# Altium PCB TeknoFest.PcbDoc
Units mm, origin at the board's own origin, x right, y up, seen from the top; angles counter-clockwise.
Board outline 80 x 88 mm, 2 copper layers (Top Layer, Bottom Layer), stack 1.57 mm thick; 69 components, 52 nets, 270 pads, 0 vias.
Unrouted connection lines stored in the file: 181.
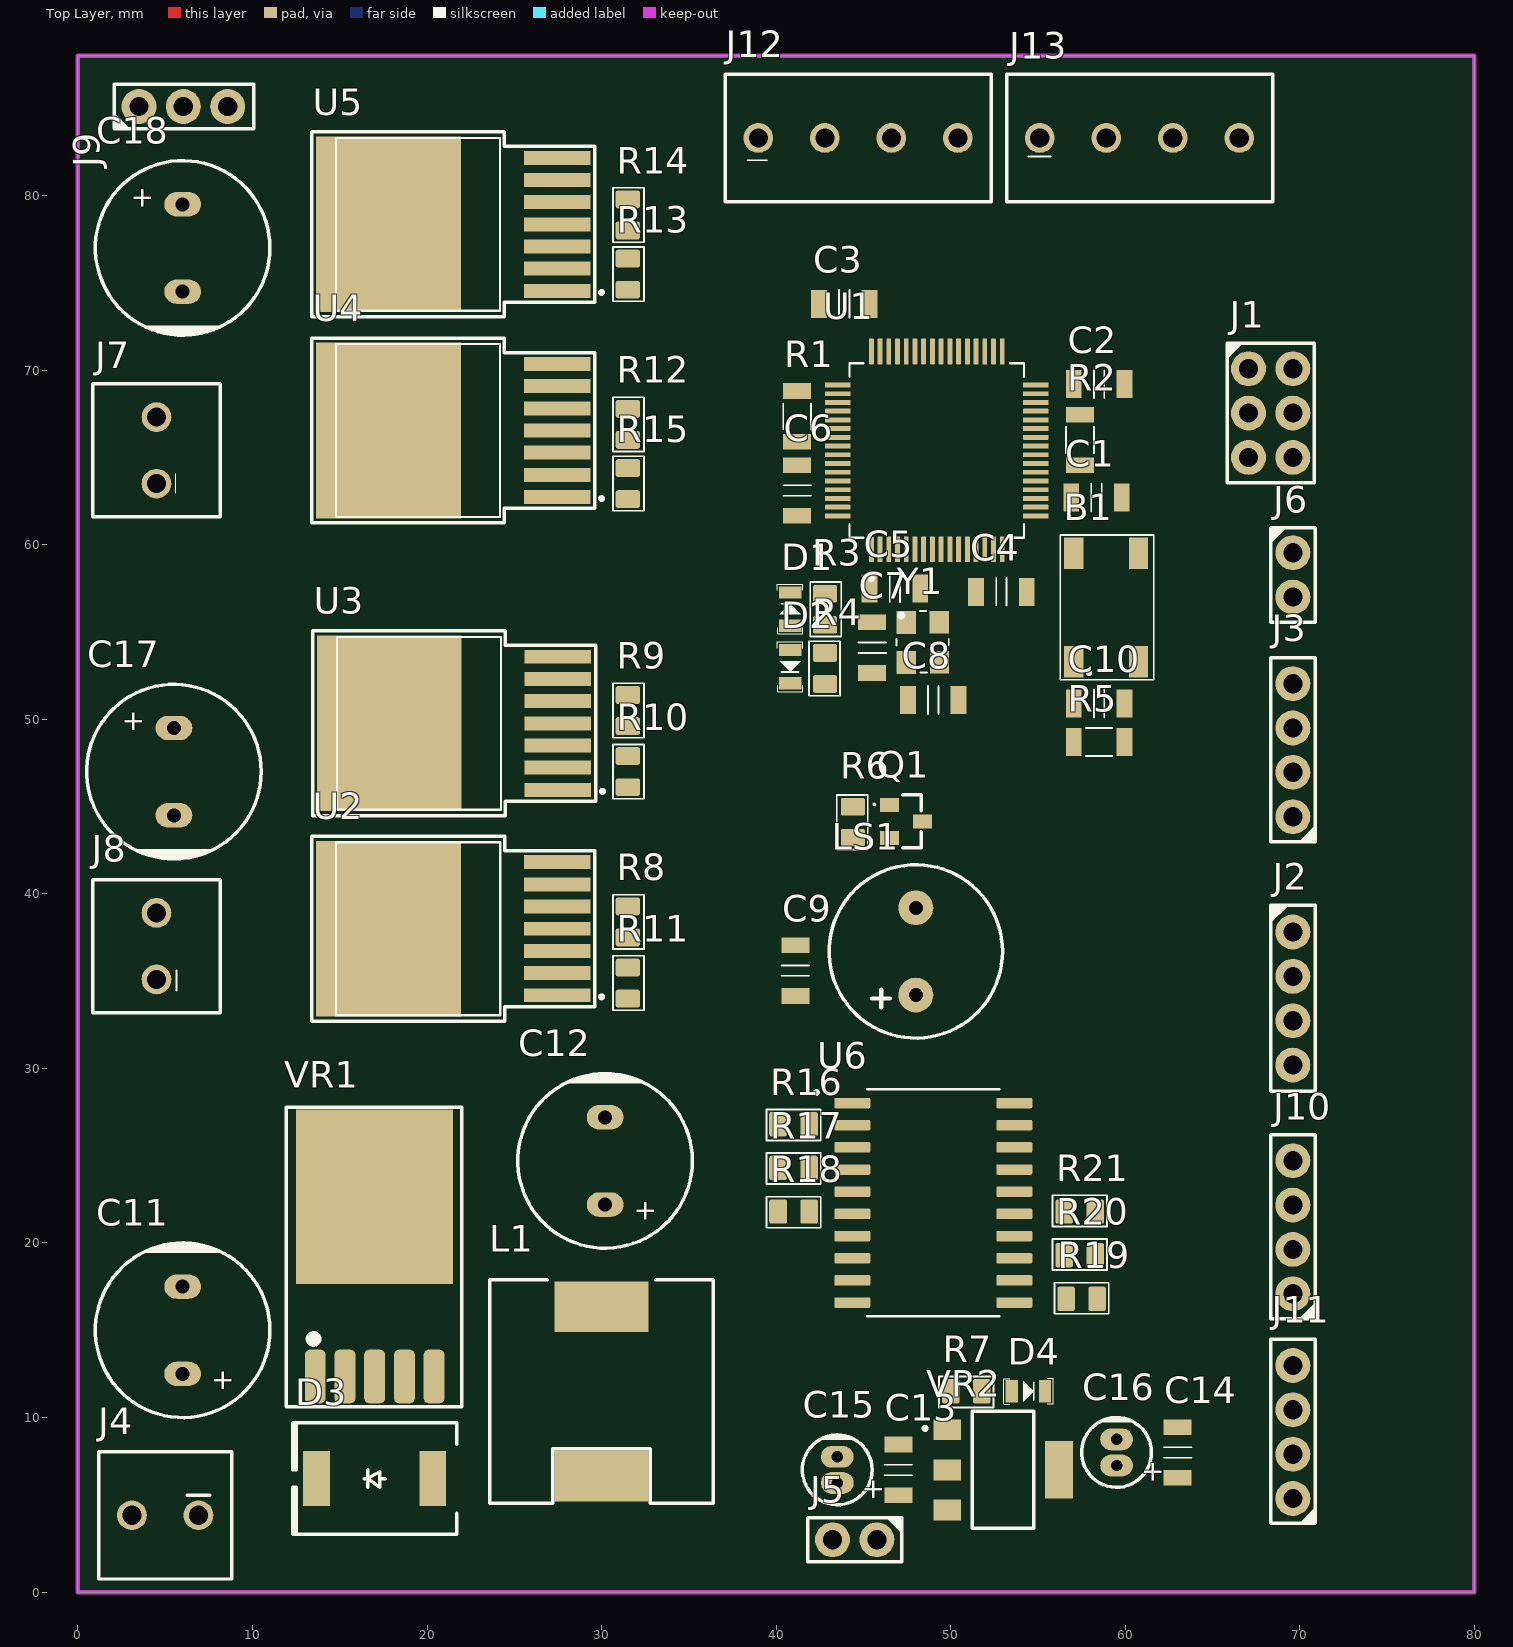
[diagram p0: Top Layer view]
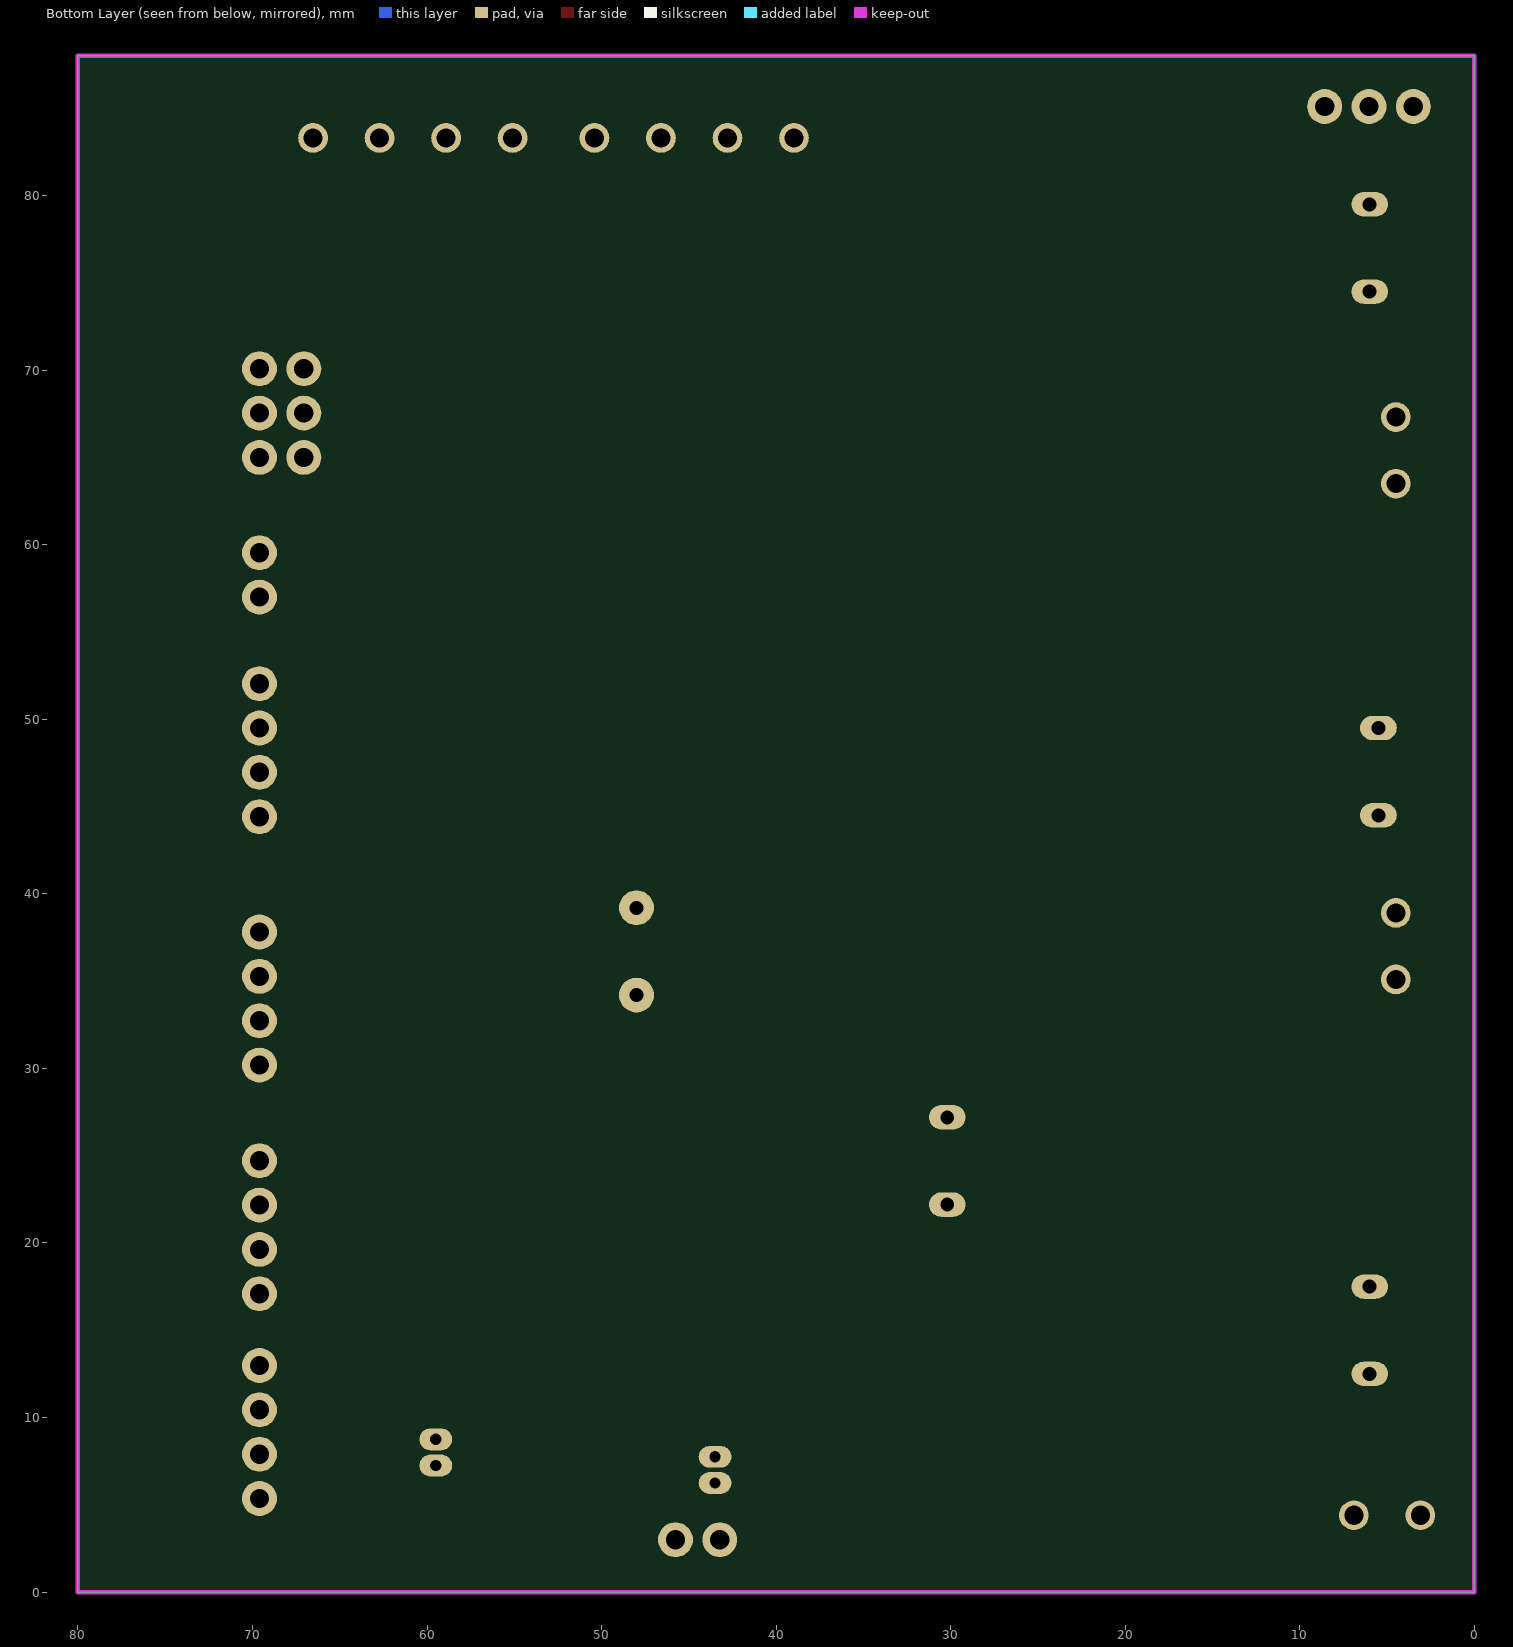
[diagram p1: Bottom Layer view, seen from below]

## Layer stack, top to bottom
Top Solder: solder mask 0.01, SM-001, Dk 3.5
Top Layer: signal copper 0.035
Dielectric 1: core 1.5, Core-043, Dk 4.8
Bottom Layer: signal copper 0.035
Bottom Solder: solder mask 0.01, SM-001, Dk 3.5

## Board outline
0,0 0,88 80,88 80,0

## Design rules (kind name [scope] priority, off if disabled: settings)
Clearance [All] p1: gap=0.254 ignorepadtopadclearanceinfootprint=FALSE except(0: Arc-Hole Track-Hole SMDPad-Hole THPad-Hole Via-Hole Fill-Hole Poly-Hole Region-Hole Text-Hole)
PolygonConnect [All] p1: connectstyle=Relief reliefconductorwidth=0.254 reliefentries=4 polygonreliefangle="90 Angle" airgapwidth=0.254
RoutingVias [All] p1: holewidth=0.711 width=1.27 viastyle="Through Hole" minholewidth=0.711 minwidth=1.27 maxholewidth=0.711 maxwidth=1.27
SolderMaskExpansion [All] p1: expansion=0.102 istentingtop=FALSE
Width [All] p1: maxlimit=0.254 minlimit=0.254 preferedwidth=0.254
30 further rules are at their usual default settings.

## Classes and differential pairs
component class PowerManagement: C11 C12 C13 C14 C15 C16 D3 D4 J3 J4 J5 J6 J7 J8 J9 J10 J11 J12 J13 L1 R7 VR1 VR2
component class MotorDriversUnit: C17 C18 R8 R9 R10 R11 R12 R13 R14 R15 R16 R17 R18 R19 R20 R21 U2 U3 U4 U5 U6
component class MicroController: B1 C1 C2 C3 C4 C5 C6 C7 C8 C9 C10 D1 D2 J1 J2 LS1 Q1 R1 R2 R3 R4 R5 R6 U1 Y1

## Components (designator, comment, footprint, x,y, rotation, side; value= is the part's Value field where it differs from the comment)
B1 "Push Button" "PUSH BUTTON-SMD" 58.9,56.4 r90 top
C1 "CAP CER 4.7 uF 1206" CAP_1206_4.7uF 58.35,62.7 r180 top value=4.7µF
C2 "CAP_1206_0.1uF" CAP_1206_0.1uF 58.5,69.2 r180 top value=0.1µF
C3 "CAP_1206_0.1uF" CAP_1206_0.1uF 43.9,73.8 r0 top value=0.1µF
C4 "CAP_1206_0.1uF" CAP_1206_0.1uF 52.9,57.3 r180 top value=0.1µF
C5 "CAP_1206_0.1uF" CAP_1206_0.1uF 46.8,57.5 r180 top value=0.1µF
C6 "CAP_1206_0.1uF" CAP_1206_0.1uF 41.2,63.1 r270 top value=0.1µF
C7 "CAP_1206_16pF" CAP_1206_16pF 45.5,54.1 r270 top value=16pF
C8 "CAP_1206_16pF" CAP_1206_16pF 49,51.1 r180 top value=16pF
C9 "CAP_1206_0.1uF" CAP_1206_0.1uF 41.1,35.6 r270 top value=0.1µF
C10 "CAP_1206_0.1uF" CAP_1206_0.1uF 58.5,50.9 r180 top value="0.1 µF"
C11 "RD1J227M10016PA100" "CAP_ALUM_220uF_10x16 5MM" 6,15 r270 top value=220uF
C12 "RD1J227M10016PA100" "CAP_ALUM_220uF_10x16 5MM" 30.2,24.7 r270 top value=220uF
C13 "CAP_1206_0.1uF" CAP_1206_0.1uF 47,7 r270 top value=0.1µF
C14 "CAP_1206_0.1uF" CAP_1206_0.1uF 63,8 r270 top value=0.1µF
C15 "PKRJ-025V100MB070" CAP_ALUM_10uF_TH 43.5,7 r270 top value=10uF
C16 "PKRJ-025V100MB070" CAP_ALUM_10uF_TH 59.5,8 r270 top value=10uF
C17 "CD11GCL-50V330-10X17" "CAP_ALUM_330uF_10x17 5MM" 5.5,47 r90 top value=330µF
C18 "CD11GCL-50V330-10X17" "CAP_ALUM_330uF_10x17 5MM" 6,77 r90 top value=330µF
D1 "LED RED 0805" LED_RED_0805 40.8,56.311 r270 top
D2 "LED GREEN 0805" LED_GREEN_0805 40.8,53.011 r90 top
D3 "SK56-HT" "DIODE SCHOTTKY" 17,6.5 r0 top
D4 "LED RED 0805" LED_RED_0805 54.45,11.5 r180 top
J1 "L-KLS1-208Y-5.0-2-06-W-8" BOOT_HEADER_2.54MM_2X3PINS 68.33,67.54 r0 top
J2 "DS1023-1X4S21" "J-LINK OB" 69.6,34 r0 top
J3 "DS1023-1X4S21" "RX/TX HEADER" 69.6,48.23 r180 top
J4 "DG381S-3.81-02P-14-00AH" "24V_IN KONNEKTÖR" 5,4.4 r180 top
J5 "L-KLS1-208-1-02-S" "5V JUMPER" 44.5,3 r270 top
J6 "L-KLS1-208-1-02-S" "3V3 JUMPER" 69.6,58.27 r0 top
J7 "DG381S-3.81-02P-14-00AH" "LEFT MOTOR OUTPUT CONNECTOR" 4.5,65.405 r90 top
J8 "DG381S-3.81-02P-14-00AH" "RIGHT MOTOR OUTPUT CONNECTOR" 4.5,37 r90 top
J9 "DS1023-1X3S21" "ENCODER POWER SELECT.1" 6.04,85.1 r90 top
J10 "DS1023-1X4S21" "LEFT WHEEL PINS" 69.6,20.9 r180 top
J11 "DS1023-1X4S21" "RIGHT WHEEL PINS" 69.6,9.17 r180 top
J12 "15EDGA-3.81-04P-14-00AH" "RIGHT ENCODER" 44.695,83.3 r0 top
J13 "15EDGA-3.81-04P-14-00AH" "LEFT ENCODER" 60.815,83.3 r0 top
L1 "SRR1280-330M" "INDUCTOR POWER" 30,11.5 r90 top value=33µH
LS1 "CMI-9605IC-0580T" BUZZER 48,36.7 r180 top
Q1 "MMBT3904-7-F" SOT-23F 47.445,44.15 r270 top
R1 "RES_1206_10K" RES_1206_100K 41.2,67.35 r270 top value=100K
R2 "RES_1206_10K" RES_1206_100K 57.4,66 r270 top value=100K
R3 "RES_0805_510R" RES_0805_510R 42.8,56.3 r90 top value=510R
R4 "RES_0805_510R" RES_0805_510R 42.8,52.911 r270 top value=510R
R5 "RES_1206_10K" RES_1206_10k 58.5,48.7 r0 top value=10K
R6 "RES_0805_100R" RES_0805_100R 44.4,44.1 r270 top value=100R
R7 "RES_0805_1K" RES_0805_1K 50.889,11.5 r0 top value=1K
R8 "RES_0805_10K" RES_0805_10K 31.5,38.389 r90 top value=10K
R9 "RES_0805_10K" RES_0805_10K 31.5,50.5 r90 top value=10K
R10 "RES_0805_10K" RES_0805_10K 31.5,47 r90 top value=10K
R11 "RES_0805_10K" RES_0805_10K 31.5,34.889 r90 top value=10K
R12 "RES_0805_10K" RES_0805_10K 31.5,66.889 r90 top value=10K
R13 "RES_0805_10K" RES_0805_10K 31.5,75.5 r90 top value=10K
R14 "RES_0805_10K" RES_0805_10K 31.5,78.889 r90 top value=10K
R15 "RES_0805_10K" RES_0805_10K 31.5,63.5 r90 top value=10K
R16 "RES_0805_10K" RES_0805_10K 41,26.8 r0 top value=10K
R17 "RES_0805_10K" RES_0805_10K 41,24.3 r0 top value=10K
R18 "RES_0805_10K" RES_0805_10K 41,21.8 r0 top value=10K
R19 "RES_0805_10K" RES_0805_10K 57.5,16.8 r180 top value=10K
R20 "RES_0805_10K" RES_0805_10K 57.389,19.3 r180 top value=10K
R21 "RES_0805_10K" RES_0805_10K 57.389,21.8 r180 top value=10K
U1 "STM32F103RBT6" LQFP-64 49.2,65.4 r90 top
U2 "BTS7960B" DPAK127P1490X440-8N 21.5,38 r180 top
U3 "BTS7960B" DPAK127P1490X440-8N 21.55,49.77 r180 top
U4 "BTS7960B" DPAK127P1490X440-8N 21.496,66.542 r180 top
U5 "BTS7960B" DPAK127P1490X440-8N 21.496,78.353 r180 top
U6 "SN74AHC244DW" SOIC-20 49,22.3 r0 top
VR1 "LM2596S-5.0" "TO263-5 (D2PAK)" 17,17.5 r0 top
VR2 "AMS1117-3.3" SOT-223 53,7 r270 top
Y1 "ECS-2033-080-AU" 8MHZ-OSC 48.4,54.4 r270 top

## Footprints (in the part's own frame and the unit in brackets; to place one, negate y for a bottom-side part, rotate by r counter-clockwise, add the part's x,y. Pads: shape width x height; smd on the part's side, far side on the other; paste and mask are expansions set on the pad)
"3V3 JUMPER" [mm]
  round 2 hole 1.1: 1(0,1.27) 2(0,-1.27)
  silkscreen extent -1.27,-2.7 1.27,2.73, body extent -1.25,-2.74 1.25,2.74, height 8.5
"5V JUMPER" [mm]
  round 2 hole 1.1: 1(0,1.27) 2(0,-1.27)
  silkscreen extent -1.27,-2.7 1.27,2.73, body extent -1.25,-2.74 1.25,2.74, height 8.5
8MHZ-OSC [mm]
  rect 1.3x1.1 smd mask+0.05: 1(-1.148,-0.954) 2(1.152,-0.954) 3(1.137,0.954) 4(-1.152,0.937)
  silkscreen extent -1.81,-1.51 1.72,1.49, body extent -1.6,-1.25 1.6,1.25, height 1.22
"24V_IN KONNEKTÖR" [mm]
  round 1.7 hole 1.1: 1(-1.905,0) 2(1.905,0)
  silkscreen extent -3.81,-3.65 3.81,3.65, body extent -3.81,-3.65 3.81,3.65, height 8.5
BOOT_HEADER_2.54MM_2X3PINS [mm] "2.54mm DIL PC TAIL PIN HEADER ASSEMBLY"
  round 2 hole 1.1: 1(-1.27,2.54) 2(-1.27,0) 3(-1.27,-2.54) 4(1.27,-2.54) 5(1.27,0) 6(1.27,2.54)
  silkscreen extent -2.5,-4 2.5,4, body extent -2.52,-4.01 2.52,4.01, height 8.5
BUZZER [mm]
  round 2 hole 0.8 mask+0.05: 1(0,2.5) 2(0,-2.5)
  silkscreen extent -4.97,-4.96 4.96,4.96, body extent -4.8,-4.8 4.8,5.9, height 5.2
CAP_1206_0.1uF [mm]
  rect 0.9x1.6 smd mask+0.05: 1(-1.45,0) 2(1.45,0)
  silkscreen extent -0.3,-0.8 0.3,0.8, body extent -1.97,-0.98 1.97,0.98, height 1.3
CAP_1206_4.7uF [mm]
  rect 0.9x1.6 smd mask+0.05: 1(-1.45,0) 2(1.45,0)
  silkscreen extent -0.3,-0.8 0.3,0.8, body extent -1.97,-0.98 1.97,0.98, height 1.3
CAP_1206_16pF [mm]
  rect 0.9x1.6 smd mask+0.05: 1(-1.45,0) 2(1.45,0)
  silkscreen extent -0.3,-0.8 0.3,0.8, body extent -1.97,-0.98 1.97,0.98, height 1.3
CAP_ALUM_10uF_TH [mm]
  oval 1.25x1.875 hole 0.65: 1(0.75,0) 2(-0.75,0)
  silkscreen extent -2,-2 2,2, body extent -2.01,-2 1.99,2, height 7
"CAP_ALUM_220uF_10x16 5MM" [mm]
  oval 1.4x2.1 hole 0.8: 1(2.5,0) 2(-2.5,0)
  silkscreen extent -5,-5 5,5, body extent -5.01,-5 5,5, height 16
"CAP_ALUM_330uF_10x17 5MM" [mm]
  oval 1.4x2.1 hole 0.8: 1(2.5,0) 2(-2.5,0)
  silkscreen extent -5,-5 5,5, body extent -5.01,-5 5,5, height 17
"DIODE SCHOTTKY" [mm]
  rect 1.54x3.14 smd: 1(-3.325,0) 2(3.325,0)
  silkscreen extent -4.7,-3.2 4.7,3.2, body extent -3.98,-2.95 3.98,2.95, height 2.3
DPAK127P1490X440-8N [mm]
  rect 3.81x0.8 smd: 1(-5.95,3.81) 2(-5.95,2.54) 3(-5.95,1.27) 4(-5.95,0) 5(-5.95,-1.27) 6(-5.95,-2.54) 7(-5.95,-3.81)
  rect 8.29x10.07 smd paste-4.36: 8(3.71,0)
  silkscreen extent -8.6,-5.29 8.11,5.29, body extent -7.45,-4.95 7.45,4.95, height 4.4
"ENCODER POWER SELECT.1" [mm]
  round 2 hole 1.1: 1(0,2.54) 2(0,0) 3(0,-2.54)
  silkscreen extent -1.27,-4.03 1.27,4, body extent -1.25,-4.01 1.25,4.01, height 8.5
"INDUCTOR POWER" [mm] "INDUCTOR POWER 33UH 3.5A SMD BOURNS"
  rect 2.9x5.4 smd: 1(-4.85,0) 2(4.85,0)
  silkscreen extent -6.4,-6.4 6.4,6.4, body extent -6.25,-6.25 6.25,6.25, height 7.9
"J-LINK OB" [mm] "2.54mm DIL PC TAIL PIN HEADER ASSEMBLY"
  round 2 hole 1.1: 1(0,3.81) 2(0,1.27) 3(0,-1.27) 4(0,-3.81)
  silkscreen extent -1.27,-5.3 1.27,5.33, body extent -1.25,-5.28 1.25,5.28, height 8.5
LED_GREEN_0805 [mm]
  rect 0.7x1.3 smd mask+0.05: 1(-0.95,0) 2(0.95,0)
  silkscreen extent -1.42,-0.74 1.42,0.74, body extent -1.01,-0.62 1.01,0.62, height 1.1
LED_RED_0805 [mm]
  rect 0.7x1.3 smd mask+0.05: 1(-0.95,0) 2(0.95,0)
  silkscreen extent -1.42,-0.74 1.42,0.74, body extent -1.01,-0.63 1.01,0.62, height 1.1
"LEFT ENCODER" [mm]
  round 1.7 hole 1.1: 1(-5.715,0) 2(-1.905,0) 3(1.905,0) 4(5.715,0)
  silkscreen extent -7.62,-3.65 7.62,3.65, body extent -7.62,-3.65 7.62,3.65, height 8.5
"LEFT MOTOR OUTPUT CONNECTOR" [mm]
  round 1.7 hole 1.1: 1(-1.905,0) 2(1.905,0)
  silkscreen extent -3.81,-3.65 3.81,3.65, body extent -3.81,-3.65 3.81,3.65, height 8.5
"LEFT WHEEL PINS" [mm]
  round 2 hole 1.1: 1(0,3.81) 2(0,1.27) 3(0,-1.27) 4(0,-3.81)
  silkscreen extent -1.27,-5.3 1.27,5.27, body extent -1.25,-5.28 1.25,5.28, height 8.5
LQFP-64 [mm]
  rrect25% 1.47x0.28 smd: 1(-5.67,3.75) 2(-5.67,3.25) 3(-5.67,2.75) 4(-5.67,2.25) 5(-5.67,1.75) 6(-5.67,1.25) 7(-5.67,0.75) 8(-5.67,0.25) 9(-5.67,-0.25) 10(-5.67,-0.75) 11(-5.67,-1.25) 12(-5.67,-1.75) 13(-5.67,-2.25) 14(-5.67,-2.75) 15(-5.67,-3.25) 16(-5.67,-3.75) 33(5.67,-3.75) 34(5.67,-3.25) 35(5.67,-2.75) 36(5.67,-2.25) 37(5.67,-1.75) 38(5.67,-1.25) 39(5.67,-0.75) 40(5.67,-0.25) 41(5.67,0.25) 42(5.67,0.75) 43(5.67,1.25) 44(5.67,1.75) 45(5.67,2.25) 46(5.67,2.75) 47(5.67,3.25) 48(5.67,3.75)
  rrect25% 0.28x1.47 smd: 17(-3.75,-5.67) 18(-3.25,-5.67) 19(-2.75,-5.67) 20(-2.25,-5.67) 21(-1.75,-5.67) 22(-1.25,-5.67) 23(-0.75,-5.67) 24(-0.25,-5.67) 25(0.25,-5.67) 26(0.75,-5.67) 27(1.25,-5.67) 28(1.75,-5.67) 29(2.25,-5.67) 30(2.75,-5.67) 31(3.25,-5.67) 32(3.75,-5.67) 49(3.75,5.67) 50(3.25,5.67) 51(2.75,5.67) 52(2.25,5.67) 53(1.75,5.67) 54(1.25,5.67) 55(0.75,5.67) 56(0.25,5.67) 57(-0.25,5.67) 58(-0.75,5.67) 59(-1.25,5.67) 60(-1.75,5.67) 61(-2.25,5.67) 62(-2.75,5.67) 63(-3.25,5.67) 64(-3.75,5.67)
  silkscreen extent -7.44,-5 5,5, body extent -6,-6 6,6, height 1.6
"PUSH BUTTON-SMD" [mm]
  rect 1.8x1.1 smd mask+0.05: 1(-3.1,1.85) 2(3.1,1.85) 3(-3.1,-1.85) 4(3.1,-1.85)
  silkscreen extent -4.14,-2.74 4.15,2.63, body extent -3.3,-2.65 3.1,2.55, height 1.5
RES_0805_1K [mil]
  rrect25% 40x55 smd: 1(-35,0) 2(35,0)
  silkscreen extent -61,-36 61,34, body extent -39,-25 39,25, height 24
RES_0805_10K [mil]
  rrect25% 40x55 smd: 1(-35,0) 2(35,0)
  silkscreen extent -61,-36 61,34, body extent -39,-25 39,25, height 24
RES_0805_100R [mil]
  rrect25% 40x55 smd: 1(-35,0) 2(35,0)
  silkscreen extent -61,-36 61,34, body extent -39,-25 39,25, height 24
RES_0805_510R [mil]
  rrect25% 40x55 smd: 1(-35,0) 2(35,0)
  silkscreen extent -61,-36 61,34, body extent -39,-25 39,25, height 24
RES_1206_10k [mm]
  rect 0.9x1.6 smd mask+0.05: 1(-1.45,0) 2(1.45,0)
  silkscreen extent -0.75,-0.8 0.75,0.8, body extent -1.98,-0.94 1.98,0.94, height 0.55
RES_1206_100K [mm]
  rect 0.9x1.6 smd mask+0.05: 1(-1.45,0) 2(1.45,0)
  silkscreen extent -0.75,-0.8 0.75,0.8, body extent -1.98,-0.94 1.98,0.94, height 0.55
"RIGHT ENCODER" [mm]
  round 1.7 hole 1.1: 1(-5.715,0) 2(-1.905,0) 3(1.905,0) 4(5.715,0)
  silkscreen extent -7.62,-3.65 7.62,3.65, body extent -7.62,-3.65 7.62,3.65, height 8.5
"RIGHT MOTOR OUTPUT CONNECTOR" [mm]
  round 1.7 hole 1.1: 1(-1.905,0) 2(1.905,0)
  silkscreen extent -3.81,-3.65 3.81,3.65, body extent -3.81,-3.65 3.81,3.65, height 8.5
"RIGHT WHEEL PINS" [mm]
  round 2 hole 1.1: 1(0,3.81) 2(0,1.27) 3(0,-1.27) 4(0,-3.81)
  silkscreen extent -1.27,-5.3 1.27,5.27, body extent -1.25,-5.28 1.25,5.28, height 8.5
"RX/TX HEADER" [mm]
  round 2 hole 1.1: 1(0,3.81) 2(0,1.27) 3(0,-1.27) 4(0,-3.81)
  silkscreen extent -1.27,-5.3 1.27,5.27, body extent -1.25,-5.28 1.25,5.28, height 8.5
SOIC-20 [mm]
  rrect25% 2.06x0.6 smd: 1(-4.64,5.715) 2(-4.64,4.445) 3(-4.64,3.175) 4(-4.64,1.905) 5(-4.64,0.635) 6(-4.64,-0.635) 7(-4.64,-1.905) 8(-4.64,-3.175) 9(-4.64,-4.445) 10(-4.64,-5.715) 11(4.64,-5.715) 12(4.64,-4.445) 13(4.64,-3.175) 14(4.64,-1.905) 15(4.64,-0.635) 16(4.64,0.635) 17(4.64,1.905) 18(4.64,3.175) 19(4.64,4.445) 20(4.64,5.715)
  silkscreen extent -6.8,-6.5 3.8,6.5, body extent -5.15,-6.4 5.15,6.4, height 2.65
SOT-23F [mm]
  rect 0.8x1.1 smd mask+0.05: 1(-0.95,-0.945) 2(0.95,-0.945) 3(0,0.945)
  silkscreen extent -1.52,-1.88 1.52,0.85, body extent -1.5,-1.42 1.5,1.42, height 1.15
SOT-223 [mm]
  rect 1.2x1.6 smd mask+0.05: 1(-2.3,-3.2) 2(0,-3.2) 3(2.3,-3.2)
  rect 3.3x1.6 smd mask+0.05: 2(0,3.2)
  silkscreen extent -3.35,-4.57 3.35,1.77, body extent -3.25,-3.48 3.25,3.48, height 1.68
"TO263-5 (D2PAK)" [mm]
  rrect50% 1.2x3.075 smd mask+0.05: 1(-3.404,-5.15) 2(-1.702,-5.15) 3(0,-5.15) 4(1.702,-5.15) 5(3.404,-5.15)
  rect 9x10 smd mask+0.05: 3(0,5.15)
  silkscreen extent -5.07,-6.89 5,10.28, body extent -4.92,-5.75 4.9,8.85, height 4.22

## Part data
B1: "KOMPONENT SEÇİLMEDİ SMD Push Button", Designed by=MOA, Satın Alma Linki=https://urun.n11.com/diger/mini-pushbutton-switch-smd-P227461537?gclid=Cj0KCQjwkoDmBRCcARIsAG3xzl8Y_-jeD7HocNM6lvuZ_rVp83568XPGtNzlPwXWLph8oCRqo0yh87UaApZYEALw_wcB&gclsrc=aw.ds
C1: library part CAP_1206_4.7uF, Package / Case=1206
C2 C3 C4 C5 C6 C9 C10 C13 C14: "CAP CER 0.1 uF 1206", Package / Case=1206
C7 C8: "CAP CER 16pF 1206", Package / Case=1206
C11 C12: library part CAP_ALUM_220uF_TH, "CAP.EL.220uF 63V 10x16 5MM 105C", Voltage - Rated=63V
C15 C16: library part CAP_ALUM_10uF_TH, "CAP.EL.10uF 25V 4x7 1.5MM 105C BULK KOSHIN", Voltage - Rated=25V, componentlink1description="New link", componentlink1url=https://www.ozdisan.com/pasif-komponentler/kapasitorler/aluminyum-kapasitorler/PKRJ-025V100MB070/345328
C17 C18: library part CAP_ALUM_330uF_TH, "CAP.EL.330UF 50V 10x17 5MM 105C", Voltage - Rated=50V
D1 D4: "KOMPONENT SEÇİLMEDİ", Case Code (Metric)=2012, Case Code (Imperial)=0805, Color=Red, Forward Current=30mA, Forward Voltage=1.8V, Lens Color=White, Manufacturer="Osram Opto", Manufacturer Part Number="LH R974-LP-1", Max Operating Temperature=85°C, Min Operating Temperature=-30°C, Package Quantity=1, Reverse Voltage=5V, Supplier Part Number 1=475-1415-1-ND, Test Current=20mA, Category=LEDs, componentlink1description=http://www.jameco.com/Jameco/Products/ProdDS/2085634.pdf?src-supplier=Jameco, componentlink1url=http://www.jameco.com/Jameco/Products/ProdDS/2085634.pdf?src-supplier=Jameco, componentlink2description=http://components.arrow.com/part/dataview/0323_01825492?src-supplier=Arrow+Europe, componentlink2url=http://components.arrow.com/part/dataview/0323_01825492?src-supplier=Arrow+Europe, ComponentLink3Description=https://dammedia.osram.info/media/resource/hires/osram-dam-2493888/LH%20R974.pdf?src-supplier=Digi-Key, ComponentLink3URL=https://dammedia.osram.info/media/resource/hires/osram-dam-2493888/LH%20R974.pdf?src-supplier=Digi-Key, ComponentLink4Description=http://www.mouser.com/ds/2/311/LH%20R974%20-%20CHIPLED%200805-318659.pdf?src-supplier=Mouser, ComponentLink4URL=http://www.mouser.com/ds/2/311/LH%20R974%20-%20CHIPLED%200805-318659.pdf?src-supplier=Mouser, ComponentLink5Description=https://www.verical.com/server-webapp/html/getDatasheet?partID=258950&src-supplier=Verical, ComponentLink5URL=https://www.verical.com/server-webapp/html/getDatasheet?partID=258950&src-supplier=Verical, ComponentLink6Description=http://components.arrow.com/part/dataview/41971690S1077610N9133?src-supplier=Arrow+Electronics, ComponentLink6URL=http://components.arrow.com/part/dataview/41971690S1077610N9133?src-supplier=Arrow+Electronics, ComponentLink7Description=http://components.arrow.com/part/dataview/41971690S6190115N2128?src-supplier=Arrow+Electronics, ComponentLink7URL=http://components.arrow.com/part/dataview/41971690S6190115N2128?src-supplier=Arrow+Electronics, Depth=1.35mm, Designed by=Mustafa, Dominant Wavelength=645nm, Length=2.1mm, Lens Size=1.25mm, Lens Style=Diffused,Flat,Colorless, Lens Transparency=Diffused, Luminous Flux=0.17lm, Luminous Intensity=71mcd, Mount="Surface Mount", Number of Elements=1, Number of Pins=2, Package / Case=0805, packaging="Tape and Reel", Pricing 1="1=0,26000, 10=0,13900, 100=0,06480, 500=0,05978, 1000=0,04683, 2000=0,04584 (USD)", Radiation Hardening=No, RoHS=Yes, RoHS Compliant=Yes, series=CHipLED, Stock 1=35632, Supplier 1=Digi-Key, Viewing Angle=160°, Width=1.25mm, Illumination Color=Red
D2: "KOMPONENT SEÇİLMEDİ", Case Code (Metric)=2012, Case Code (Imperial)=0805, Color=Green, Forward Current=30mA, Forward Voltage=2.1V, Lens Color=Colorless, Manufacturer="Vishay Lite-On", Manufacturer Part Number=LTST-C171GKT, Max Operating Temperature=85°C, Min Operating Temperature=-55°C, Package Quantity=1, Power Dissipation=100mW, Reverse Voltage=5V, Supplier Part Number 1=160-1423-1-ND, Test Current=10mA, Category=LEDs, componentlink1description=https://datasheet.ciiva.com/2110/ltst-c171gkt-2110000.pdf?src-supplier=Digi-Key, componentlink1url=https://datasheet.ciiva.com/2110/ltst-c171gkt-2110000.pdf?src-supplier=Digi-Key, componentlink2description=https://datasheet.ciiva.com/11773/0900766b80dc0296-11773991.pdf?src-supplier=RSComponents, componentlink2url=https://datasheet.ciiva.com/11773/0900766b80dc0296-11773991.pdf?src-supplier=RSComponents, ComponentLink3Description=https://datasheet.ciiva.com/12400/lite-on-ltst-c171gkt-190133-12400647.pdf?src-supplier=Mouser, ComponentLink3URL=https://datasheet.ciiva.com/12400/lite-on-ltst-c171gkt-190133-12400647.pdf?src-supplier=Mouser, ComponentLink4Description=https://datasheet.ciiva.com/2110/ltst-c171gkt-2110001.pdf?src-supplier=Digi-Key, ComponentLink4URL=https://datasheet.ciiva.com/2110/ltst-c171gkt-2110001.pdf?src-supplier=Digi-Key, ComponentLink5Description=https://datasheet.ciiva.com/2110/ltst-c171gkt-2110002.pdf?src-supplier=Digi-Key, ComponentLink5URL=https://datasheet.ciiva.com/2110/ltst-c171gkt-2110002.pdf?src-supplier=Digi-Key, ComponentLink6Description=https://datasheet.ciiva.com/16396/ltst-c171gkt-16396549.pdf?src-supplier=Future+Electronics, ComponentLink6URL=https://datasheet.ciiva.com/16396/ltst-c171gkt-16396549.pdf?src-supplier=Future+Electronics, Depth=1.25mm, Designed by=Mustafa, Dominant Wavelength=569nm, Height=0.8mm, Lead Free="Lead Free", Length=2mm, Lens Style=Diffused,Colorless,Rectangular,Clear, Lens Transparency=Clear, Luminous Intensity=12mcd, Mount="Surface Mount", Number of Elements=1, Number of LEDs=1, Number of Pins=2, Package / Case=0805, packaging="Tape and Reel", Power Rating=100mW, Pricing 1="1=0,26000, 10=0,14100, 100=0,06560, 500=0,06060, 1000=0,04747 (USD)", Radiation Hardening=No, RoHS=Yes, RoHS Compliant=Yes, series="CHIPLED 0805", Stock 1=159023, Supplier 1=Digi-Key, Viewing Angle=130°, Wavelength=585nm, Width=1.25mm, Illumination Color=Green
D3: library part "DIODE SCHOTTKY", "5A 60V DO214AB SMC"
J1: library part BOOT_HEADER, "FEMALE HEADER 6PIN(2X3) 2.54MM THT V/T 8x7.62 TUBE", componentlink1description="New link", componentlink1url=https://ozdisan.com/Product/Detail/652771/L-KLS1-208Y-5-0-2-06-W-8
J2: library part "J-LINK OB", "FEMALE HEADER 4PIN(1x4) 2.54mm THT V/T TRAY", componentlink1description="New link", componentlink1url=https://ozdisan.com/konnektor-ve-baglanti-elemanlari/header-konnektorler/disi-headerlar/DS1023-1X4S21/353863
J3: library part "RX/TX HEADER", "FEMALE HEADER 4PIN(1x4) 2.54mm THT V/T TRAY", componentlink1description="New link", componentlink1url=https://ozdisan.com/konnektor-ve-baglanti-elemanlari/header-konnektorler/disi-headerlar/DS1023-1X4S21/353863
J4: library part 24V_IN, "TERM.BLK.3.81MM 2P PCB TYPE GREEN", componentlink1description="New link", componentlink1url=https://ozdisan.com/Product/Detail/440917/DG381S-3-81-02P-14-00AH
J5: library part 5V_JUMPER_HEADER, "FEMALE HEADER 2PIN(1x2) 2.54mm THT V/T TRAY", componentlink1description="New link", componentlink1url=https://ozdisan.com/konnektor-ve-baglanti-elemanlari/header-konnektorler/disi-headerlar/L-KLS1-208-1-02-S/596182
J6: library part 3V3_JUMPER_HEADER, "FEMALE HEADER 2PIN(1x2) 2.54mm THT V/T TRAY", componentlink1description="New link", componentlink1url=https://ozdisan.com/konnektor-ve-baglanti-elemanlari/header-konnektorler/disi-headerlar/L-KLS1-208-1-02-S/596182
J7: library part "LEFT MOTOR OUTPUT", "DG381S-3.81-02P-14-00AH - TERM.BLK.3.81MM 2P PCB TYPE GREEN"
J8: library part "RIGHT MOTOR OUTPUT", "DG381S-3.81-02P-14-00AH - TERM.BLK.3.81MM 2P PCB TYPE GREEN"
J9: library part "ENCODER POWER SELECT", "FEMALE HEADER 3PIN(1x3) 2.54mm THT V/T", componentlink1description="New link", componentlink1url=https://ozdisan.com/konnektor-ve-baglanti-elemanlari/header-konnektorler/disi-headerlar/DS1023-1X3S21/702380
J10: library part "LEFT WHEEL PINS", "FEMALE HEADER 4PIN(1x4) 2.54mm THT V/T TRAY", componentlink1description="New link", componentlink1url=https://ozdisan.com/konnektor-ve-baglanti-elemanlari/header-konnektorler/disi-headerlar/DS1023-1X4S21/353863
J11: library part "RIGHT WHEEL PINS", "DS1023-1X4S21 - FEMALE HEADER 4PIN(1x4) 2.54mm THT V/T TRAY", componentlink1description="New link", componentlink1url=https://ozdisan.com/konnektor-ve-baglanti-elemanlari/header-konnektorler/disi-headerlar/DS1023-1X4S21/353863
J12: library part "RIGHT ENCODER", "TERM.BLK.3.81MM 4P FEMALE GREEN", componentlink1description="New link", componentlink1url=https://ozdisan.com/Product/Detail/638461/15EDGA-3-81-04P-14-00AH
J13: library part "LEFT ENCODER", "TERM.BLK.3.81MM 4P FEMALE GREEN KLEMENS", componentlink1description="New link", componentlink1url=https://ozdisan.com/konnektor-ve-baglanti-elemanlari/klemensler/pcb-klemensler/15EDGA-3-81-04P-14-00AH/638461
L1: library part INDUCTOR_POWER_33uH, "INDUCTOR POWER 33UH 3.5A SMD BOURNS"
LS1: library part BUZZER, "Audio Buzzer Magnetic 3VDC 7VDC 30mA 5VDC 85dB 2600Hz to 2800Hz Through Hole Pin Box", Case/Package=CMI-9605IC, Manufacturer="CUI Devices", Supplier Part Number=2223-CMI-9605IC-0580T-ND, Category="Audio Products", Designed by=MOA, Manufacturer Part Number=CMI-9605IC-0580T, Pricing="1=1,22, 10=1,014, 25=0,938, 50=0,883, 100=0,8298, 250=0,76976, 500=0,71396, 1000=0,66741, 5000=0,65403 (USD)", RoHS=No, Stock=5910, Supplier=Digi-Key
Q1: library part BJT_NPN_TRANSISTOR, "MMBT3904-7-F - TRANSISTOR DIS.200mA 40V NPN SOT23 SMT/ ÖZDİSAN", Case/Package=SOT-23, Collector Base Voltage (VCBO)=60V, Collector Emitter Breakdown Voltage=40V, Collector Emitter Saturation Voltage=300mV, Continuous Collector Current=200mA, Emitter Base Voltage (VEBO)=6V, Frequency=300MHz, Manufacturer="Diodes Zetex", Max Operating Temperature=150°C, Max Power Dissipation=300mW, Min Operating Temperature=-55°C, Package Quantity=3000, Power Dissipation=350mW, Supplier Part Number 1=MMBT3904-FDIDKR-ND, Category=BJTs, Collector Emitter Voltage (VCEO)=40V, Collector-emitter Voltage-Max=300mV, componentlink1description=https://datasheet.ciiva.com/11201/ds30036-11201778.pdf?src-supplier=Avnet, componentlink1url=https://datasheet.ciiva.com/11201/ds30036-11201778.pdf?src-supplier=Avnet, ComponentLink7Description="New link", ComponentLink7URL=https://ozdisan.com/Product/Detail/609899/MMBT3904-7-F, Contact Plating=Tin,Matte, Designed by=MOA, Element Configuration=Single, Gain Bandwidth Product=300MHz, Height=1mm, hFE Min=100, Lead Free="Lead Free", Length=3.05mm, Manufacturer Part Number=MMBT3904-7-F, Max Breakdown Voltage=40V, Max Collector Current=200mA, Max Frequency=300MHz, Mount="Surface Mount", Number of Elements=1, Number of Pins=3, packaging="Tape and Reel", Polarity=NPN, Pricing 1="1=0,12000, 10=0,08600, 25=0,08280, 100=0,04660, 500=0,03664, 1000=0,02544 (USD)", Radiation Hardening=No, REACH SVHC="No SVHC", RoHS=Yes, RoHS Compliant=Yes, series=-, Stock 1=2393281, Transition Frequency=300MHz, Voltage Rating (DC)=40V, Weight=0.000282oz, Width=1.4mm
R1 R2: library part RES_1206_100K, "RES 1206 100K ohm", Package / Case=1206
R3 R4: "RES 0805 510 ohm", Package / Case=0805
R5: "RES 1206 10K ohm", Package / Case=1206
R6: "RES 0805 100 ohm", Package / Case=0805
R7: "RES 0805 1K ohm", Package / Case=0805
R8 R9 R10 R11 R12 R13 R14 R15 R16 R17 R18 R19 R20 R21: "RES 0805 10K ohm", Package / Case=0805
U1: "STM32F103RTB6 LQFP-64", Package="LQFP-64 STMicroelectronics", Availability="In Stock", Check_prices=https://www.snapeda.com/parts/STM32F103RBT6/STMicroelectronics/view-part/?ref=eda, Designed by=MOA, MF=STMicroelectronics, MP=STM32F103RBT6, price=None, Purchase-URL=https://pricing.snapeda.com/search?q=STM32F103RBT6&ref=eda, SnapEDA_Link=https://www.snapeda.com/parts/STM32F103RBT6/STMicroelectronics/view-part/?ref=snap
U6: "Buffer, Non-Inverting 2 Element 4 Bit per Element 3-State Output 20-SOIC"
VR1: "LM2596S-5.0 - IC-2596 REG BUCK 5V 3A TO263-5", componentlink1description="New link", componentlink1url=https://ozdisan.com/entegre-devreler-icler/guc-entegreleri/dc-dc-voltaj-regulatorleri/LM2596S-5-0
VR2: "IC-1117 V.REG. 1A 3V3 SOT223 SMD AMS", Manufacturer="UMW(Youtai Semiconductor Co., Ltd.)", Supplier Part Number=4518-AMS1117-3.3CT-ND, Category=Uncategorized, Designed by="Mustafa oğuz Ateş", Manufacturer Part Number=AMS1117-3.3, Pricing="1=0,48, 10=0,388, 25=0,3552, 100=0,2644, 250=0,2396, 500=0,19828, 1000=0,14871 (USD)", RoHS=No, Supplier=Digikey
Y1: library part OSI_8MHz_15pF, "CRYSTAL OSCILLATOR XO 8.0000MHZ CMOS SMD", Capacitance=15pF, Frequency=8MHz, componentlink1description="New link", componentlink1url=https://ozdisan.com/pasif-komponentler/kristaller-osilatorler-ve-rezanatorler/osilatorler/ECS-2033-080-AU/994835, Designed by=MOA

## Nets (pads, with @x,y where several pads share a name; then routed paths per layer and width w, separated by ;. In a path a pad name is that pad's centre, name@x,y a point inside that pad or via, vN(x,y) a via of type N, cw(c..) or ccw(c..) an arc to the next point about the centre after c; other vN are vias at no path point)
3V3: C1.2 C2.2 C3.2 C4.2 C5.2 C6.2 C14.2 C16.1 D1.2 D2.2 J1.1 J1.6 J2.1 J6.1 R5.2 R7.1 U1.1 U1.13 U1.19 U1.32 U1.48 U1.64 VR2.2
5V: C9.2 C12.1 C13.2 C15.1 J3.1 J5.1 J9.3 L1.2 LS1.1 U6.20 VR2.3
24V: C11.1 C17.1 C18.1 J4.1 J9.1 U2.7 U3.7 U4.7 U5.7 VR1.1
BOOT0: J1.2 R1.1
BOOT1: J1.5 R2.2
BUZZER: R6.1 U1.35
GND: B1.3 B1.4 C1.1 C2.1 C3.1 C4.1 C5.1 C6.1 C7.2 C8.2 C9.1 C10.1 C11.2 C12.2 C13.1 C14.1 C15.2 C16.2 C17.2 C18.2 D3.2 D4.1 J1.3 J1.4 J2.4 J3.4 J4.2 J5.2 J6.2 J10.4 J11.4 J12.4 J13.4 Q1.2 R3.2 R8.1 R9.1 R10.1 R11.1 R12.1 R13.1 R14.1 R15.1 R16.1 R17.1 R18.1 R19.1 R20.1 R21.1 U1.12 U1.18 U1.31 U1.47 U1.63 U2.1 U3.1 U4.1 U5.1 U6.1 U6.10 U6.19 VR1.3 VR1.5 VR2.1 Y1.2 Y1.4
LED: R4.2 U1.2
NetD1_1: D1.1 R3.1
NetD2_1: D2.1 R4.1
NetD3_1: D3.1 L1.1 VR1.2
NetD4_2: D4.2 R7.2
NetJ3_2: J3.2 U1.58
NetJ3_3: J3.3 U1.59
NetJ7_1: J7.1 U4.4 U4.8
NetJ7_2: J7.2 U5.4 U5.8
NetJ8_1: J8.1 U2.4 U2.8
NetJ8_2: J8.2 U3.4 U3.8
NetJ9_2: J9.2 J12.1 J13.1
NetJ10_1: J10.1 R21.2 U1.17 U6.15
NetJ10_2: J10.2 R19.2 U1.43 U6.11
NetJ10_3: J10.3 R20.2 U1.44 U6.13
NetJ11_1: J11.1 R18.2 U1.20 U6.6
NetJ11_2: J11.2 R16.2 U1.41 U6.2
NetJ11_3: J11.3 R17.2 U1.42 U6.4
NetJ12_2: J12.2 U1.55
NetJ12_3: J12.3 U1.56
NetJ13_2: J13.2 U1.22
NetJ13_3: J13.3 U1.23
NetLS1_2: LS1.2 Q1.3
NetQ1_1: Q1.1 R6.2
NetR1_2: R1.2 U1.60
NetR2_1: R2.1 U1.28
NetR8_2: R8.2 U2.6
NetR9_2: R9.2 U3.6
NetR10_2: R10.2 U3.5
NetR11_2: R11.2 U2.5
NetR12_2: R12.2 U4.6
NetR13_2: R13.2 U5.6
NetR14_2: R14.2 U5.5
NetR15_2: R15.2 U4.5
NetU2_2: U2.2 U6.18
NetU2_3: U2.3 U3.3 U6.14
NetU3_2: U3.2 U6.16
NetU4_2: U4.2 U6.9
NetU4_3: U4.3 U5.3 U6.5
NetU5_2: U5.2 U6.7
NRST: B1.1 B1.2 C10.2 R5.1 U1.7
OSC_IN: C7.1 U1.5 Y1.1
OSC_OUT: C8.1 U1.6 Y1.3
SWCLK: J2.3 U1.49
SWDIO: J2.2 U1.46
pads on no net: U1.3 U1.4 U1.8 U1.9 U1.10 U1.11 U1.14 U1.15 U1.16 U1.21 U1.24 U1.25 U1.26 U1.27 U1.29 U1.30 U1.33 U1.34 U1.36 U1.37 U1.38 U1.39 U1.40 U1.45 U1.50 U1.51 U1.52 U1.53 U1.54 U1.57 U1.61 U1.62 U6.3 U6.8 U6.12 U6.17 VR1.4

## Keep-outs
Keep-Out Layer:
  the board outline again, w0.254

## Text inside footprints (layer, text, board x,y; h text height)
C11: Top Overlay "+" at 7.4,12.8 h2 r270
C12: Top Overlay "+" at 31.6,22.5 h2 r270
C15: Top Overlay "+" at 44.675,6.55 h2 r270
C16: Top Overlay "+" at 60.675,7.55 h2 r270
C17: Top Overlay "+" at 4.1,49.2 h2 r90
C18: Top Overlay "+" at 4.6,79.2 h2 r90